# KiCad board AtariChocXE.kicad_pcb
title: Decent XE Keyboard; date: 2022-12-29; rev: 11; company: Decent Consulting
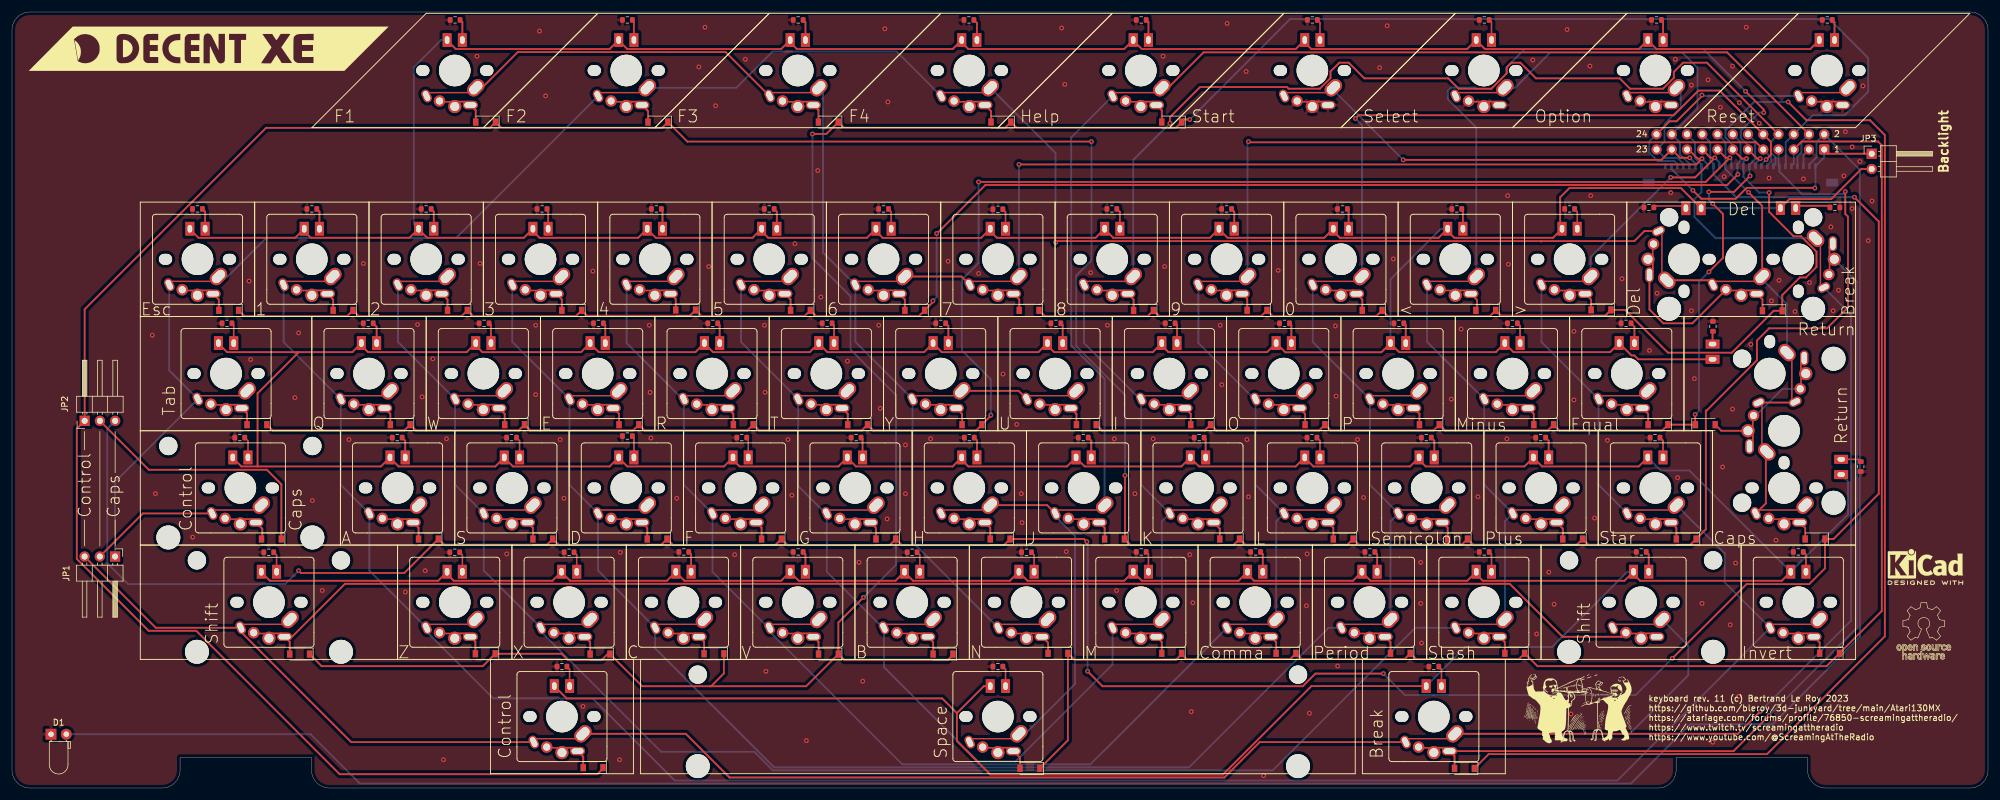
[diagram p0: board, top side]
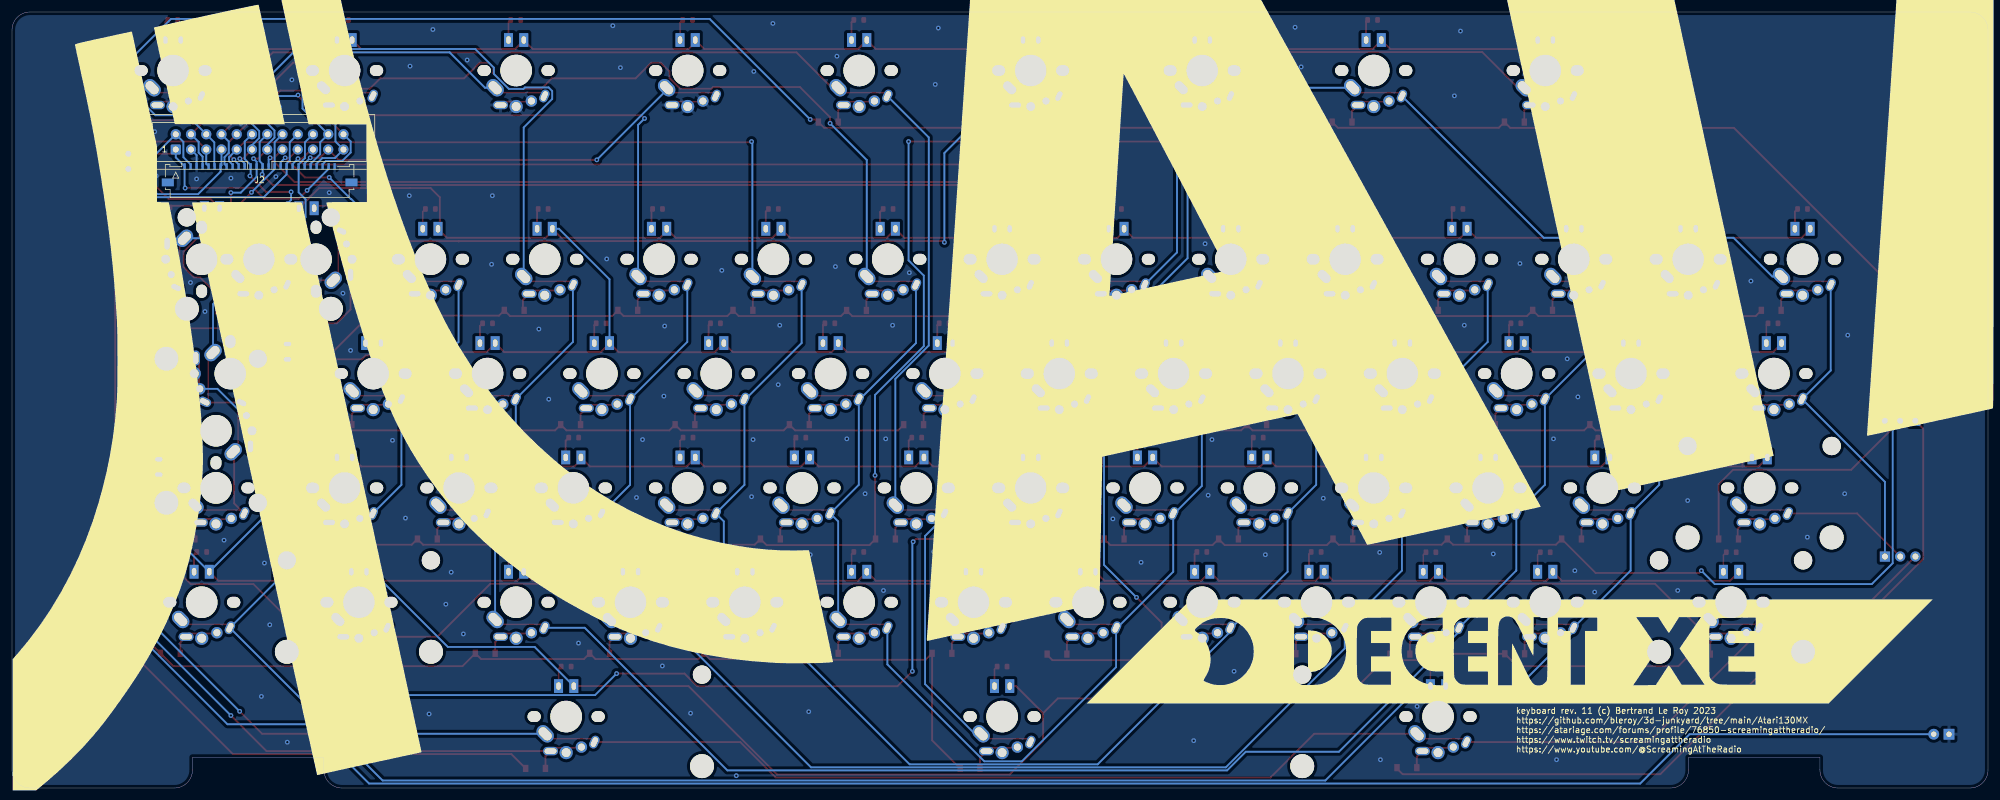
[diagram p1: board, bottom side, seen from below]

Outline 329.2 x 129.3 mm; copper layers: Top, Bottom. Coordinates in mm from the lower left corner of the outline.
Outline path: 0,126.3 0,3 arc(0.88,0.88) 3,0 25,0 arc(27.12,0.88) 28,3 28,5.1 49.9,5.1 49.9,3 arc(50.78,0.88) 52.9,0 274.24,0 arc(276.36,0.88) 277.24,3 277.24,5.1 299.14,5.1 299.14,3 arc(300.02,0.88) 302.14,0 326.2,0 arc(328.32,0.88) 329.2,3 329.2,126.3 arc(328.32,128.42) 326.2,129.3 3,129.3 arc(0.88,128.42) 0,126.3
Stack: Top 0.035mm / dielectric 1.51mm FR4 er 4.5 / Bottom 0.035mm

## Placement (name value [footprint] x y rotation side)
D1  LED  [LED_D3.0mm_Horizontal_O1.27mm_Z2.0mm]  6.5 8.96 0 top
D2  1N4148W  [D_SOD-123]  43.22 41.49 180 top
D68  1N4148W  [D_SOD-123]  169.46 79.59 180 top
D69  1N4148W  [D_SOD-123]  150.41 79.59 180 top
D70  1N4148W  [D_SOD-123]  178.98 60.54 180 top
D71  1N4148W  [D_SOD-123]  159.93 60.54 180 top
D72  1N4148W  [D_SOD-123]  78.91 110.96 180 top
D73  1N4148W  [D_SOD-123]  174.26 22.44 180 top
D74  1N4148W  [D_SOD-123]  136.01 110.96 180 top
D75  1N4148W  [D_SOD-123]  183.68 41.49 180 top
D76  1N4148W  [D_SOD-123]  164.63 41.49 180 top
D77  1N4148W  [D_SOD-123]  169.58 3.26 180 top
D78  1N4148W  [D_SOD-123]  193.21 110.96 180 top
D79  1N4148W  [D_SOD-123]  188.51 79.57 180 top
D80  1N4148W  [D_SOD-123]  131.36 79.59 180 top
D81  1N4148W  [D_SOD-123]  198.03 60.54 180 top
D82  1N4148W  [D_SOD-123]  140.88 60.54 180 top
D83  1N4148W  [D_SOD-123]  202.86 41.49 180 top
D84  1N4148W  [D_SOD-123]  145.58 41.49 180 top
D85  1N4148W  [D_SOD-123]  193.21 22.44 180 top
D86  1N4148W  [D_SOD-123]  155.11 22.31 180 top
D87  1N4148W  [D_SOD-123]  207.43 79.59 180 top
D88  1N4148W  [D_SOD-123]  112.23 79.64 180 top
D89  1N4148W  [D_SOD-123]  217.08 60.54 180 top
D90  1N4148W  [D_SOD-123]  121.83 60.54 180 top
D91  1N4148W  [D_SOD-123]  221.78 41.49 180 top
D92  1N4148W  [D_SOD-123]  126.53 41.49 180 top
D93  1N4148W  [D_SOD-123]  212.26 22.44 180 top
D94  1N4148W  [D_SOD-123]  136.02 22.31 180 top
D95  1N4148W  [D_SOD-123]  226.61 79.59 180 top
D96  1N4148W  [D_SOD-123]  93.26 79.59 180 top
D97  1N4148W  [D_SOD-123]  236.13 60.54 180 top
D98  1N4148W  [D_SOD-123]  102.78 60.54 180 top
D99  1N4148W  [D_SOD-123]  240.83 41.49 180 top
D100  1N4148W  [D_SOD-123]  107.48 41.49 180 top
D101  1N4148W  [D_SOD-123]  231.31 22.44 180 top
D102  1N4148W  [D_SOD-123]  116.95 22.37 180 top
D103  1N4148W  [D_SOD-123]  245.53 79.59 180 top
D104  1N4148W  [D_SOD-123]  74.21 79.59 180 top
D105  1N4148W  [D_SOD-123]  255.18 60.54 180 top
D106  1N4148W  [D_SOD-123]  83.73 60.54 180 top
D107  1N4148W  [D_SOD-123]  260.01 41.49 180 top
D108  1N4148W  [D_SOD-123]  88.43 41.49 180 top
D109  1N4148W  [D_SOD-123]  250.36 22.44 180 top
D110  1N4148W  [D_SOD-123]  97.97 22.31 180 top
D111  1N4148W  [D_SOD-123]  264.73 79.66 180 top
D112  1N4148W  [D_SOD-123]  55.16 79.59 180 top
D113  1N4148W  [D_SOD-123]  274.23 60.54 180 top
D114  1N4148W  [D_SOD-123]  64.68 60.54 180 top
D115  1N4148W  [D_SOD-123]  278.93 41.49 180 top
D116  1N4148W  [D_SOD-123]  69.38 41.49 180 top
D117  1N4148W  [D_SOD-123]  302.81 22.44 180 top
D118  1N4148W  [D_SOD-123]  78.85 22.37 180 top
D119  1N4148W  [D_SOD-123]  293.27 79.52 180 top
D120  1N4148W  [D_SOD-123]  36.11 79.59 180 top
D121  1N4148W  [D_SOD-123]  282.11 60.54 0 top
D122  1N4148W  [D_SOD-123]  40.81 60.54 180 top
D123  1N4148W  [D_SOD-123]  107.61 110.96 180 top
D124  1N4148W  [D_SOD-123]  300.39 41.49 180 top
D125  1N4148W  [D_SOD-123]  164.76 110.96 180 top
D126  1N4148W  [D_SOD-123]  241.97 3.26 180 top
D127  1N4148W  [D_SOD-123]  96.81 3.39 180 top
D128  1N4148W  [D_SOD-123]  47.92 22.31 180 top
G***  -  [LOGO]  32.77 123.2 0 top
G***#2  LOGO  [ScreamingAtTheRadio]  260.99 14.31 0 top
G***#3  -  [LOGO]  164.08 69.61 180 bottom
J1  Conn_02x12_Odd_Even  [IDC-Header_2x12_P2.54mm_Vertical]  301.92 106.39 90 bottom
J2  Conn_01x26  [Molex_200528-0260_1x26-1MP_P1.00mm_Horizontal]  287.95 102.7 180 bottom
JP1  Jumper_3_Bridged12  [PinHeader_1x03_P2.54mm_Horizontal]  17.17 38.57 270 top
JP2  Jumper_3_Bridged12  [PinHeader_1x03_P2.54mm_Horizontal]  12.1 61.18 90 top
JP3  SolderJumper_2_Bridged  [PinHeader_1x02_P2.54mm_Horizontal]  309.82 105.68 0 top
R1  R  [R_0603_1608Metric]  164.25 96.43 180 top
R2  R  [R_0603_1608Metric]  145.2 96.48 180 top
R3  R  [R_0603_1608Metric]  173.9 77.43 180 top
R4  R  [R_0603_1608Metric]  154.73 77.43 180 top
R5  R  [R_0603_1608Metric]  73.83 127.98 180 top
R6  R  [R_0603_1608Metric]  169.01 39.28 180 top
R7  R  [R_0603_1608Metric]  130.98 127.98 180 top
R8  R  [R_0603_1608Metric]  178.47 58.38 180 top
R9  R  [R_0603_1608Metric]  159.49 58.38 180 top
R10  R  [R_0603_1608Metric]  164.25 20.23 180 top
R11  R  [R_0603_1608Metric]  188.13 127.98 180 top
R12  R  [R_0603_1608Metric]  183.24 96.48 180 top
R13  R  [R_0603_1608Metric]  126.15 96.48 180 top
R14  R  [R_0603_1608Metric]  192.95 77.43 180 top
R15  R  [R_0603_1608Metric]  135.8 77.43 180 top
R16  R  [R_0603_1608Metric]  197.78 58.38 180 top
R17  R  [R_0603_1608Metric]  140.63 58.38 180 top
R18  R  [R_0603_1608Metric]  188.13 39.33 180 top
R19  R  [R_0603_1608Metric]  149.96 39.28 180 top
R20  R  [R_0603_1608Metric]  202.35 96.48 180 top
R21  R  [R_0603_1608Metric]  107.35 96.48 180 top
R22  R  [R_0603_1608Metric]  212 77.43 180 top
R23  R  [R_0603_1608Metric]  116.75 77.43 180 top
R24  R  [R_0603_1608Metric]  216.57 58.38 180 top
R25  R  [R_0603_1608Metric]  121.58 58.38 180 top
R26  R  [R_0603_1608Metric]  207.18 39.33 180 top
R27  R  [R_0603_1608Metric]  130.98 39.33 180 top
R28  R  [R_0603_1608Metric]  221.65 96.48 180 top
R29  R  [R_0603_1608Metric]  88.3 96.48 180 top
R30  R  [R_0603_1608Metric]  231.05 77.43 180 top
R31  R  [R_0603_1608Metric]  97.7 77.43 180 top
R32  R  [R_0603_1608Metric]  235.62 58.38 180 top
R33  R  [R_0603_1608Metric]  102.53 58.64 180 top
R34  R  [R_0603_1608Metric]  226.23 39.33 180 top
R35  R  [R_0603_1608Metric]  111.93 39.33 180 top
R36  R  [R_0603_1608Metric]  240.7 96.48 180 top
R37  R  [R_0603_1608Metric]  69 96.48 180 top
R38  R  [R_0603_1608Metric]  249.97 77.43 180 top
R39  R  [R_0603_1608Metric]  78.65 77.43 180 top
R40  R  [R_0603_1608Metric]  254.67 58.38 180 top
R41  R  [R_0603_1608Metric]  83.22 58.38 180 top
R42  R  [R_0603_1608Metric]  245.28 39.33 180 top
R43  R  [R_0603_1608Metric]  92.81 39.28 180 top
R44  R  [R_0603_1608Metric]  259.5 96.48 180 top
R45  R  [R_0603_1608Metric]  49.95 96.48 180 top
R46  R  [R_0603_1608Metric]  268.9 77.43 180 top
R47  R  [R_0603_1608Metric]  59.35 77.43 180 top
R48  R  [R_0603_1608Metric]  273.72 58.38 180 top
R49  R  [R_0603_1608Metric]  64.17 58.38 180 top
R50  R  [R_0603_1608Metric]  297.6 39.33 180 top
R51  R  [R_0603_1608Metric]  73.76 39.28 180 top
R52  R  [R_0603_1608Metric]  272.71 96.74 180 top
R53  R  [R_0603_1608Metric]  30.9 96.48 0 top
R54  R  [R_0603_1608Metric]  283.38 76.92 90 top
R55  R  [R_0603_1608Metric]  35.82 77.43 180 top
R56  R  [R_0603_1608Metric]  102.53 127.98 180 top
R57  R  [R_0603_1608Metric]  308.01 53.56 270 top
R58  R  [R_0603_1608Metric]  159.42 127.98 180 top
R59  R  [R_0603_1608Metric]  271.44 39.33 180 top
R60  R  [R_0603_1608Metric]  303.7 96.74 0 top
R61  R  [R_0603_1608Metric]  91.62 20.23 180 top
R62  R  [R_0603_1608Metric]  42.77 39.28 180 top
R63  R  [R_0603_1608Metric]  216.64 127.98 180 top
R64  R  [R_0603_1608Metric]  245.28 127.98 180 top
R65  R  [R_0603_1608Metric]  273.98 127.98 180 top
R66  R  [R_0603_1608Metric]  302.43 127.98 180 top
R67  R  [R_0603_1608Metric]  37.95 58.38 180 top
R68  R  [R_0603_1608Metric]  236.88 20.23 0 top
REF**  -  [KiCad-Logo2_5mm_SilkScreen]  318.77 36.84 0 top
REF**#2  -  [OSH_logo]  318.51 27.51 0 top
SW0  SW_Push_45deg  [MX-1-00U-LED]  221.4 88.1 0 top
SW1  SW_Push_45deg  [MX-1-00U-LED]  49.95 88.1 0 top
SW2  SW_Push_45deg  [MX-1-00U-LED]  69 88.1 0 top
SW3  SW_Push_45deg  [MX-1-00U-LED]  88.05 88.1 0 top
SW4  SW_Push_45deg  [MX-1-00U-LED]  107.1 88.1 0 top
SW5  SW_Push_45deg  [MX-1-00U-LED]  126.15 88.1 0 top
SW6  SW_Push_45deg  [MX-1-00U-LED]  145.2 88.1 0 top
SW7  SW_Push_45deg  [MX-1-00U-LED]  164.25 88.1 0 top
SW8  SW_Push_45deg  [MX-1-00U-LED]  183.3 88.1 0 top
SW9  SW_Push_45deg  [MX-1-00U-LED]  202.35 88.1 0 top
SWA1  SW_Push_45deg  [MX-1-00U-LED]  64.24 50 0 top
SWB1  SW_Push_45deg  [MX-1-00U-LED]  149.96 30.95 0 top
SWBrk1  SW_Push_45deg  [MX-1-00U-LED#3]  297.6 88.1 0 top
SWBrk2  SW_Push_45deg  [MX-1-25U-LED#2]  236.88 11.9 0 top
SWC1  SW_Push_45deg  [MX-1-00U-LED]  111.86 30.95 0 top
SWComma1  SW_Push_45deg  [MX-1-00U-LED]  207.11 30.95 0 top
SWCps1  SW_Push_45deg  [MX-1-25U-LED]  295.22 50 0 top
SWCtl1  SW_Push_45deg  [MX-1-25U-LED#2]  91.62 11.9 0 top
SWCtlCaps1  SW_Push_45deg  [MX-1-75U-LED]  38.04 50 0 top
SWD1  SW_Push_45deg  [MX-1-00U-LED]  102.34 50 0 top
SWDash1  SW_Push_45deg  [MX-1-00U-LED]  249.97 69.05 0 top
SWDel1  SW_Push_45deg  [MX-1-00U-LED#2]  278.55 88.1 0 top
SWDel2  SWITCH  [MX-2-00U]  288.07 88.1 0 top
SWE1  SW_Push_45deg  [MX-1-00U-LED]  97.58 69.05 0 top
SWEqual1  SW_Push_45deg  [MX-1-00U-LED]  269.02 69.05 0 top
SWEsc1  SW_Push_45deg  [MX-1-00U-LED]  30.9 88.1 0 top
SWF1  SW_Push_45deg  [MX-1-00U-LED]  121.39 50 0 top
SWFn1  SW_Push_45deg  [MX-1-50U-Atari-Fn-LED]  73.76 119.55 0 top
SWFn2  SW_Push_45deg  [MX-1-50U-Atari-Fn-LED]  102.34 119.55 0 top
SWFn3  SW_Push_45deg  [MX-1-50U-Atari-Fn-LED]  130.91 119.55 0 top
SWFn4  SW_Push_45deg  [MX-1-50U-Atari-Fn-LED]  159.49 119.55 0 top
SWG1  SW_Push_45deg  [MX-1-00U-LED]  140.44 50 0 top
SWGT1  SW_Push_45deg  [MX-1-00U-LED]  259.5 88.1 0 top
SWH1  SW_Push_45deg  [MX-1-00U-LED]  159.49 50 0 top
SWHlp1  SW_Push_45deg  [MX-1-50U-Atari-Fn-LED]  188.06 119.55 0 top
SWI1  SW_Push_45deg  [MX-1-00U-LED]  192.82 69.05 0 top
SWInv1  SW_Push_45deg  [MX-1-00U-LED]  297.6 30.95 0 top
SWJ1  SW_Push_45deg  [MX-1-00U-LED]  178.54 50 0 top
SWK1  SW_Push_45deg  [MX-1-00U-LED]  197.59 50 0 top
SWL1  SW_Push_45deg  [MX-1-00U-LED]  216.64 50 0 top
SWLeftSft1  SW_Push_45deg  [MX-2-25U-LED]  42.81 30.95 0 top
SWLT1  SW_Push_45deg  [MX-1-00U-LED]  240.45 88.1 0 top
SWM1  SW_Push_45deg  [MX-1-00U-LED]  188.06 30.95 0 top
SWN1  SW_Push_45deg  [MX-1-00U-LED]  169.01 30.95 0 top
SWO1  SW_Push_45deg  [MX-1-00U-LED]  211.88 69.05 0 top
SWOption1  SW_Push_45deg  [MX-1-50U-Atari-Fn-LED]  273.8 119.55 0 top
SWP1  SW_Push_45deg  [MX-1-00U-LED]  230.93 69.05 0 top
SWPeriod1  SW_Push_45deg  [MX-1-00U-LED]  226.16 30.95 0 top
SWPlus1  SW_Push_45deg  [MX-1-00U-LED]  254.74 50 0 top
SWQ1  SW_Push_45deg  [MX-1-00U-LED]  59.47 69.05 0 top
SWR1  SW_Push_45deg  [MX-1-00U-LED]  116.63 69.05 0 top
SWReset1  SW_Push_45deg  [MX-1-50U-Atari-Fn-LED]  302.36 119.55 0 top
SWRet1  SW_Push_45deg  [MX-1-50U-LED]  292.84 69.05 0 top
SWRet2  SWITCH  [MX-ISO-RETURN]  295.22 59.52 0 top
SWRightSft1  SW_Push_45deg  [MX-1-75U-LED]  271.41 30.95 0 top
SWS1  SW_Push_45deg  [MX-1-00U-LED]  83.29 50 0 top
SWSelect1  SW_Push_45deg  [MX-1-50U-Atari-Fn-LED]  245.21 119.55 0 top
SWSemi1  SW_Push_45deg  [MX-1-00U-LED]  235.69 50 0 top
SWSlash1  SW_Push_45deg  [MX-1-00U-LED]  245.21 30.95 0 top
SWSpc1  SW_Push_45deg  [MX-6-25U-LED]  164.25 11.9 0 top
SWStar1  SW_Push_45deg  [MX-1-00U-LED]  273.79 50 0 top
SWStart1  SW_Push_45deg  [MX-1-50U-Atari-Fn-LED]  216.64 119.55 0 top
SWT1  SW_Push_45deg  [MX-1-00U-LED]  135.68 69.05 0 top
SWTab1  SW_Push_45deg  [MX-1-50U-LED#2]  35.66 69.05 0 top
SWU1  SW_Push_45deg  [MX-1-00U-LED]  173.77 69.05 0 top
SWV1  SW_Push_45deg  [MX-1-00U-LED]  130.91 30.95 0 top
SWW1  SW_Push_45deg  [MX-1-00U-LED]  78.53 69.05 0 top
SWX1  SW_Push_45deg  [MX-1-00U-LED]  92.81 30.95 0 top
SWY1  SW_Push_45deg  [MX-1-00U-LED]  154.73 69.05 0 top
SWZ1  SW_Push_45deg  [MX-1-00U-LED]  73.76 30.95 0 top

## Footprints (pads in the part's own frame, mm; a bottom-side part is the same pattern mirrored in y, then rotated)
D_SOD-123
  rect 0.9x1.2 smd: 1(-1.65,0) 2(1.65,0)
IDC-Header_2x12_P2.54mm_Vertical
  rrect 1.7x1.7 hole 1: 1(0,0)
  round 1.7 hole 1: 2(2.54,0) 3(0,-2.54) 4(2.54,-2.54) 5(0,-5.08) 6(2.54,-5.08) 7(0,-7.62) 8(2.54,-7.62) 9(0,-10.16) 10(2.54,-10.16) 11(0,-12.7) 12(2.54,-12.7) 13(0,-15.24) 14(2.54,-15.24) 15(0,-17.78) 16(2.54,-17.78) 17(0,-20.32) 18(2.54,-20.32) 19(0,-22.86) 20(2.54,-22.86) 21(0,-25.4) 22(2.54,-25.4) 23(0,-27.94) 24(2.54,-27.94)
LED_D3.0mm_Horizontal_O1.27mm_Z2.0mm
  rect 1.8x1.8 hole 0.9: 1(0,0)
  round 1.8 hole 0.9: 2(2.54,0)
Molex_200528-0260_1x26-1MP_P1.00mm_Horizontal
  rect 0.4x1 smd: 1(-12.5,0.91) 2(-11.5,0.91) 3(-10.5,0.91) 4(-9.5,0.91) 5(-8.5,0.91) 6(-7.5,0.91) 7(-6.5,0.91) 8(-5.5,0.91) 9(-4.5,0.91) 10(-3.5,0.91) 11(-2.5,0.91) 12(-1.5,0.91) 13(-0.5,0.91) 14(0.5,0.91) 15(1.5,0.91) 16(2.5,0.91) 17(3.5,0.91) 18(4.5,0.91) 19(5.5,0.91) 20(6.5,0.91) 21(7.5,0.91) 22(8.5,0.91) 23(9.5,0.91) 24(10.5,0.91) 25(11.5,0.91) 26(12.5,0.91)
  rect 2x1.3 smd: MP(-15.3,-1.79) MP(15.3,-1.79)
MX-1-00U-LED
  oval 2.2x1.8 hole 2.2x1.8 unplated: (-5.33,0) (5.33,0)
  round 5.25 hole 5.25 unplated: (0,0)
  oval 1.4x2.2 hole 0.9x1.7 rot 25: 1(-4.7,-4.25)
  rect 6.833x0.229 smd: 1(-1.219,-3.683)
  oval 3.2x2.2 hole 2.5x1.5 rot 45: 1(3.5,-2.87)
  round 1.9 hole 1.2: 2(-2.54,-5.08)
  rect 1.312x0.254 smd: 2(-1.27,-5.207)
  round 2.2 hole 1.5: 2(0,-6)
  rect 1.758x0.284 smd: 2(1.26,-5.192)
  oval 2.5x1.4 hole 2x0.9: 2(2.6,-5.75)
  rect 1.5x2.3 hole 0.75x1.25: 3(1.27,5.08) 4(-1.27,5.08)
MX-1-00U-LED#2
  oval 1.8x2.2 hole 1.8x2.2 unplated: (0,5.33) (0,-5.33)
  round 5.25 hole 5.25 unplated: (0,0)
  oval 1.4x2.2 hole 0.9x1.7 rot 115: 1(-4.25,4.7)
  rect 0.229x6.833 smd: 1(-3.683,1.219)
  oval 3.2x2.2 hole 2.5x1.5 rot 135: 1(-2.87,-3.5)
  round 2.2 hole 1.5: 2(-6,0)
  oval 1.4x2.5 hole 0.9x2: 2(-5.75,-2.6)
  rect 0.254x1.312 smd: 2(-5.207,1.27)
  rect 0.284x1.758 smd: 2(-5.192,-1.26)
  round 1.9 hole 1.2: 2(-5.08,2.54)
  rect 1.5x2.3 hole 0.75x1.25: 3(0.313,8.503) 4(2.853,8.503)
MX-1-00U-LED#3
  oval 1.8x2.2 hole 1.8x2.2 unplated: (0,5.33) (0,-5.33)
  round 5.25 hole 5.25 unplated: (0,0)
  oval 3.2x2.2 hole 2.5x1.5 rot 135: 1(2.87,3.5)
  rect 0.229x6.833 smd: 1(3.683,-1.219)
  oval 1.4x2.2 hole 0.9x1.7 rot 115: 1(4.25,-4.7)
  round 1.9 hole 1.2: 2(5.08,-2.54)
  rect 0.284x1.758 smd: 2(5.192,1.26)
  rect 0.254x1.312 smd: 2(5.207,-1.27)
  oval 1.4x2.5 hole 0.9x2: 2(5.75,2.6)
  round 2.2 hole 1.5: 2(6,0)
  rect 1.5x2.3 hole 0.75x1.25: 3(-0.442,8.529) 4(-2.982,8.529)
MX-1-25U-LED
  oval 2.2x1.8 hole 2.2x1.8 unplated: (-5.33,0) (5.33,0)
  round 5.25 hole 5.25 unplated: (0,0)
  oval 1.4x2.2 hole 0.9x1.7 rot 25: 1(-4.7,-4.25)
  rect 6.833x0.229 smd: 1(-1.219,-3.683)
  oval 3.2x2.2 hole 2.5x1.5 rot 45: 1(3.5,-2.87)
  round 1.9 hole 1.2: 2(-2.54,-5.08)
  rect 1.312x0.254 smd: 2(-1.27,-5.207)
  round 2.2 hole 1.5: 2(0,-6)
  rect 1.758x0.284 smd: 2(1.26,-5.192)
  oval 2.5x1.4 hole 2x0.9: 2(2.6,-5.75)
  rect 2.3x1.5 hole 1.25x0.75: 3(9.525,4.763) 4(9.525,2.223)
MX-1-25U-LED#2
  oval 2.2x1.8 hole 2.2x1.8 unplated: (-5.33,0) (5.33,0)
  round 5.25 hole 5.25 unplated: (0,0)
  oval 1.4x2.2 hole 0.9x1.7 rot 25: 1(-4.7,-4.25)
  rect 6.833x0.229 smd: 1(-1.219,-3.683)
  oval 3.2x2.2 hole 2.5x1.5 rot 45: 1(3.5,-2.87)
  round 1.9 hole 1.2: 2(-2.54,-5.08)
  rect 1.312x0.254 smd: 2(-1.27,-5.207)
  round 2.2 hole 1.5: 2(0,-6)
  rect 1.758x0.284 smd: 2(1.26,-5.192)
  oval 2.5x1.4 hole 2x0.9: 2(2.6,-5.75)
  rect 1.5x2.3 hole 0.75x1.25: 3(1.27,5.08) 4(-1.27,5.08)
MX-1-50U-Atari-Fn-LED
  oval 2.2x1.8 hole 2.2x1.8 unplated: (-5.33,0) (5.33,0)
  round 5.25 hole 5.25 unplated: (0,0)
  oval 1.4x2.2 hole 0.9x1.7 rot 25: 1(-4.7,-4.25)
  rect 6.833x0.229 smd: 1(-1.219,-3.683)
  oval 3.2x2.2 hole 2.5x1.5 rot 45: 1(3.5,-2.87)
  round 1.9 hole 1.2: 2(-2.54,-5.08)
  rect 1.312x0.254 smd: 2(-1.27,-5.207)
  round 2.2 hole 1.5: 2(0,-6)
  rect 1.758x0.284 smd: 2(1.26,-5.192)
  oval 2.5x1.4 hole 2x0.9: 2(2.6,-5.75)
  rect 1.5x2.3 hole 0.75x1.25: 3(1.27,5.08) 4(-1.27,5.08)
MX-1-50U-LED
  oval 1.8x2.2 hole 1.8x2.2 unplated: (0,5.33)
  round 5.25 hole 5.25 unplated: (0,0)
  oval 3.2x2.2 hole 2.5x1.5 rot 135: 1(2.87,3.5)
  rect 0.229x6.833 smd: 1(3.683,-1.219)
  oval 1.4x2.2 hole 0.9x1.7 rot 115: 1(4.25,-4.7)
  round 1.9 hole 1.2: 2(5.08,-2.54)
  rect 0.284x1.758 smd: 2(5.192,1.26)
  rect 0.254x1.312 smd: 2(5.207,-1.27)
  oval 1.4x2.5 hole 0.9x2: 2(5.75,2.6)
  round 2.2 hole 1.5: 2(6,0)
  rect 2.3x1.5 hole 1.25x0.75: 3(-9.525,4.921) 4(-9.525,2.381)
MX-1-50U-LED#2
  oval 2.2x1.8 hole 2.2x1.8 unplated: (-5.33,0) (5.33,0)
  round 5.25 hole 5.25 unplated: (0,0)
  oval 1.4x2.2 hole 0.9x1.7 rot 25: 1(-4.7,-4.25)
  rect 6.833x0.229 smd: 1(-1.219,-3.683)
  oval 3.2x2.2 hole 2.5x1.5 rot 45: 1(3.5,-2.87)
  round 1.9 hole 1.2: 2(-2.54,-5.08)
  rect 1.312x0.254 smd: 2(-1.27,-5.207)
  round 2.2 hole 1.5: 2(0,-6)
  rect 1.758x0.284 smd: 2(1.26,-5.192)
  oval 2.5x1.4 hole 2x0.9: 2(2.6,-5.75)
  rect 1.5x2.3 hole 0.75x1.25: 3(1.27,5.08) 4(-1.27,5.08)
MX-1-75U-LED
  round 3.048 hole 3.048 unplated: (-12,6.985) (12,6.985)
  round 3.988 hole 3.988 unplated: (-12,-8.255) (12,-8.255)
  oval 2.2x1.8 hole 2.2x1.8 unplated: (-5.33,0) (5.33,0)
  round 5.25 hole 5.25 unplated: (0,0)
  oval 1.4x2.2 hole 0.9x1.7 rot 25: 1(-4.7,-4.25)
  rect 6.833x0.229 smd: 1(-1.219,-3.683)
  oval 3.2x2.2 hole 2.5x1.5 rot 45: 1(3.5,-2.87)
  round 1.9 hole 1.2: 2(-2.54,-5.08)
  rect 1.312x0.254 smd: 2(-1.27,-5.207)
  round 2.2 hole 1.5: 2(0,-6)
  rect 1.758x0.284 smd: 2(1.26,-5.192)
  oval 2.5x1.4 hole 2x0.9: 2(2.6,-5.75)
  rect 1.5x2.3 hole 0.75x1.25: 3(1.27,5.08) 4(-1.27,5.08)
MX-2-00U
  round 3.048 hole 3.048 unplated: (-12,6.985) (12,6.985)
  round 3.988 hole 3.988 unplated: (-12,-8.255) (12,-8.255)
  oval 2.2x1.8 hole 2.2x1.8 unplated: (-5.33,0) (5.33,0)
  round 5.25 hole 5.25 unplated: (0,0)
  oval 1.4x2.2 hole 0.9x1.7 rot 25: 1(-4.7,-4.25)
  rect 6.833x0.229 smd: 1(-1.219,-3.683)
  oval 3.2x2.2 hole 2.5x1.5 rot 45: 1(3.5,-2.87)
  round 1.9 hole 1.2: 2(-2.54,-5.08)
  rect 1.312x0.254 smd: 2(-1.27,-5.207)
  round 2.2 hole 1.5: 2(0,-6)
  rect 1.758x0.284 smd: 2(1.26,-5.192)
  oval 2.5x1.4 hole 2x0.9: 2(2.6,-5.75)
MX-2-25U-LED
  round 3.048 hole 3.048 unplated: (-12,6.985) (12,6.985)
  round 3.988 hole 3.988 unplated: (-12,-8.255) (12,-8.255)
  oval 2.2x1.8 hole 2.2x1.8 unplated: (-5.33,0) (5.33,0)
  round 5.25 hole 5.25 unplated: (0,0)
  oval 1.4x2.2 hole 0.9x1.7 rot 25: 1(-4.7,-4.25)
  rect 6.833x0.229 smd: 1(-1.219,-3.683)
  oval 3.2x2.2 hole 2.5x1.5 rot 45: 1(3.5,-2.87)
  round 1.9 hole 1.2: 2(-2.54,-5.08)
  rect 1.312x0.254 smd: 2(-1.27,-5.207)
  round 2.2 hole 1.5: 2(0,-6)
  rect 1.758x0.284 smd: 2(1.26,-5.192)
  oval 2.5x1.4 hole 2x0.9: 2(2.6,-5.75)
  rect 1.5x2.3 hole 0.75x1.25: 3(1.27,5.08) 4(-1.27,5.08)
MX-6-25U-LED
  round 3.048 hole 3.048 unplated: (-50,6.985) (50,6.985)
  round 3.988 hole 3.988 unplated: (-50,-8.255) (50,-8.255)
  oval 2.2x1.8 hole 2.2x1.8 unplated: (-5.33,0) (5.33,0)
  round 5.25 hole 5.25 unplated: (0,0)
  oval 1.4x2.2 hole 0.9x1.7 rot 25: 1(-4.7,-4.25)
  rect 6.833x0.229 smd: 1(-1.219,-3.683)
  oval 3.2x2.2 hole 2.5x1.5 rot 45: 1(3.5,-2.87)
  round 1.9 hole 1.2: 2(-2.54,-5.08)
  rect 1.312x0.254 smd: 2(-1.27,-5.207)
  round 2.2 hole 1.5: 2(0,-6)
  rect 1.758x0.284 smd: 2(1.26,-5.192)
  oval 2.5x1.4 hole 2x0.9: 2(2.6,-5.75)
  rect 1.5x2.3 hole 0.75x1.25: 3(1.27,5.08) 4(-1.27,5.08)
MX-ISO-RETURN
  round 3.048 hole 3.048 unplated: (-6.985,12) (-6.985,-12)
  round 5.25 hole 5.25 unplated: (0,0)
  oval 1.8x2.2 hole 1.8x2.2 unplated: (0,-5.33)
  round 3.988 hole 3.988 unplated: (8.255,12) (8.255,-12)
  oval 1.4x2.2 hole 0.9x1.7 rot 115: 1(-4.25,4.7)
  rect 0.229x6.833 smd: 1(-3.683,1.219)
  oval 3.2x2.2 hole 2.5x1.5 rot 135: 1(-2.87,-3.5)
  round 2.2 hole 1.5: 2(-6,0)
  oval 1.4x2.5 hole 0.9x2: 2(-5.75,-2.6)
  rect 0.254x1.312 smd: 2(-5.207,1.27)
  rect 0.284x1.758 smd: 2(-5.192,-1.26)
  round 1.9 hole 1.2: 2(-5.08,2.54)
PinHeader_1x02_P2.54mm_Horizontal
  rect 1.7x1.7 hole 1: 1(0,0)
  oval 1.7x1.7 hole 1: 2(0,-2.54)
PinHeader_1x03_P2.54mm_Horizontal
  rect 1.7x1.7 hole 1: 1(0,0)
  oval 1.7x1.7 hole 1: 2(0,-2.54) 3(0,-5.08)
R_0603_1608Metric
  rrect 0.8x0.95 smd: 1(-0.825,0) 2(0.825,0)
